# KiCad board bumwings_v001R55_rp2040zero_sd.kicad_pcb
title: BumWings_001R; date: 2022-10-12; rev: v0.5; company: tubby.twins a.k.a. mschnoor
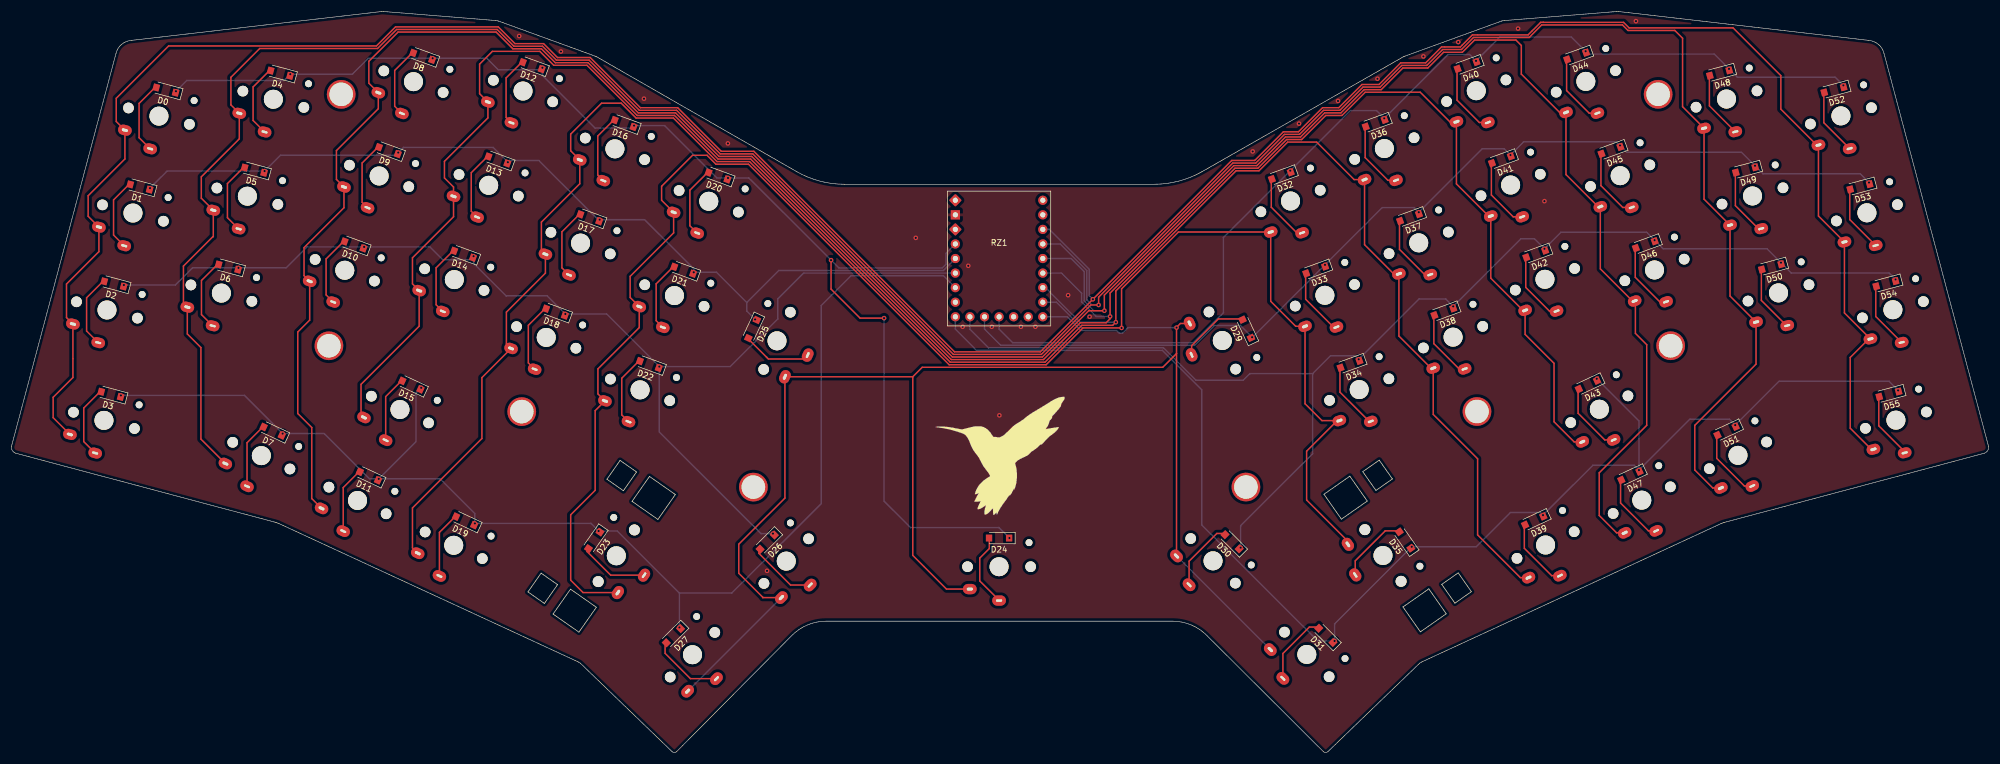
[diagram p0: board, top side]
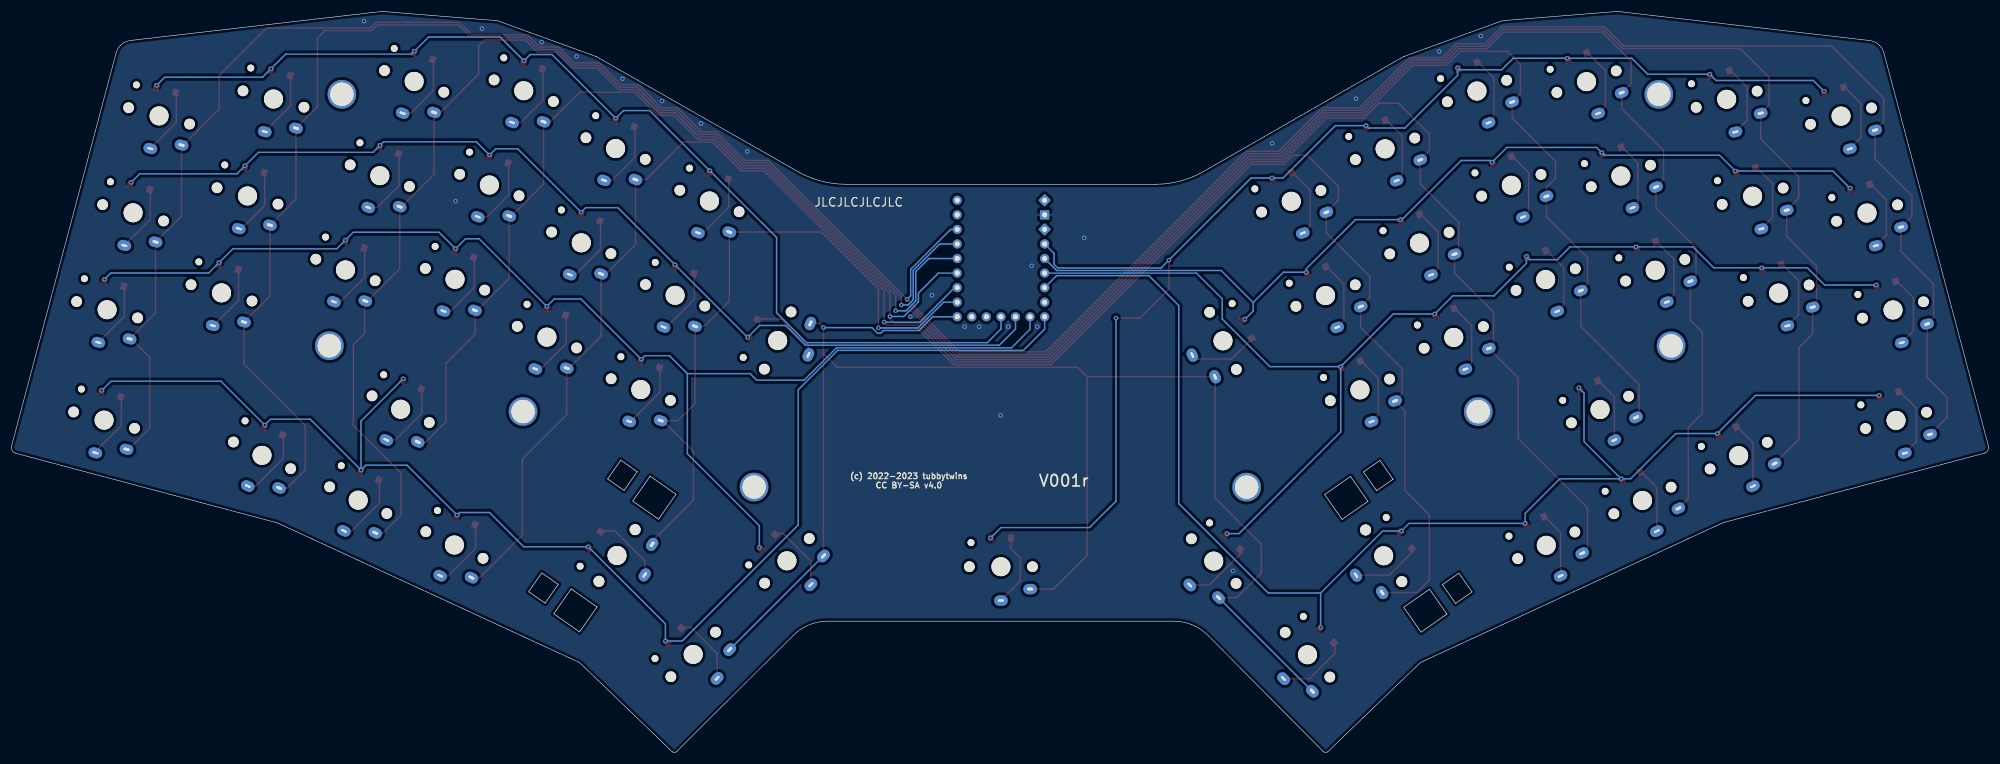
[diagram p1: board, bottom side, seen from below]

Outline 344.59 x 129.25 mm; copper layers: Top, Bottom. Coordinates in mm from the lower left corner of the outline.
Outline path: 0.71,52.21 arc(0.14,52.68) 0,53.4 18.22,121.95 arc(19.2,123.51) 20.9,124.2 64.45,129.23 arc(64.63,129.25) 64.82,129.24 84.42,127.66 arc(84.68,127.62) 84.93,127.56 101.76,121.44 arc(101.88,121.4) 102,121.34 136.9,101.28 arc(140.92,99.65) 145.22,99.11 199.16,99.11 arc(203.45,99.66) 207.47,101.28 242.6,121.34 arc(242.71,121.4) 242.84,121.44 259.66,127.56 arc(259.92,127.62) 260.18,127.66 279.78,129.24 arc(279.96,129.25) 280.15,129.23 323.7,124.2 arc(325.4,123.51) 326.37,121.95 344.59,53.4 arc(344.46,52.68) 343.88,52.21 298.48,40.12 arc(298.22,40.04) 297.97,39.93 245.73,15.77 arc(245.59,15.68) 245.45,15.59 229.45,0.16 arc(229.04,0) 228.64,0.18 208.41,20.36 arc(205.65,22.24) 202.39,22.91 141.99,22.91 arc(138.72,22.24) 135.97,20.36 115.95,0.18 arc(115.56,0) 115.15,0.16 99.14,15.59 arc(99.01,15.68) 98.87,15.77 46.62,39.93 arc(46.37,40.04) 46.11,40.12 0.71,52.21
Stack: Top 0.035mm / dielectric 1.51mm FR4 er 4.5 / Bottom 0.035mm

## Placement (name value [footprint] x y rotation side)
D0  D  [Diode_D_SOD-123]  26.92 115.53 165 top
D1  D  [Diode_D_SOD-123]  22.39 98.63 165 top
D2  D  [Diode_D_SOD-123]  17.86 81.73 165 top
D3  D  [Diode_D_SOD-123]  17.34 62.47 165 top
D4  D  [Diode_D_SOD-123]  46.86 118.47 165 top
D5  D  [Diode_D_SOD-123]  42.33 101.57 165 top
D6  D  [Diode_D_SOD-123]  37.8 84.67 165 top
D7  D  [Diode_D_SOD-123]  45.54 56.04 155 top
D8  D  [Diode_D_SOD-123]  71.67 121.42 160 top
D9  D  [Diode_D_SOD-123]  65.69 104.97 160 top
D10  D  [Diode_D_SOD-123]  59.7 88.53 160 top
D11  D  [Diode_D_SOD-123]  62.3 48.22 155 top
D12  D  [Diode_D_SOD-123]  90.77 119.79 160 top
D13  D  [Diode_D_SOD-123]  84.78 103.35 160 top
D14  D  [Diode_D_SOD-123]  78.8 86.9 160 top
D15  D  [Diode_D_SOD-123]  69.7 64.08 155 top
D16  D  [Diode_D_SOD-123]  106.79 109.7 160 top
D17  D  [Diode_D_SOD-123]  100.8 93.26 160 top
D18  D  [Diode_D_SOD-123]  94.81 76.81 160 top
D19  D  [Diode_D_SOD-123]  79.07 40.4 155 top
D20  D  [Diode_D_SOD-123]  123.14 100.56 160 top
D21  D  [Diode_D_SOD-123]  117.16 84.11 160 top
D22  D  [Diode_D_SOD-123]  111.17 67.67 160 top
D23  D  [Diode_D_SOD-123]  101.57 37.01 235 top
D24  D  [Diode_D_SOD-123]  172.14 37.41 180 top
D25  D  [Diode_D_SOD-123]  129.17 73.86 245 top
D26  D  [Diode_D_SOD-123]  131.72 36.71 225 top
D27  D  [Diode_D_SOD-123]  115.38 20.38 225 top
D29  D  [Diode_D_SOD-123]  215.3 73.91 115 top
D30  D  [Diode_D_SOD-123]  212.75 36.76 135 top
D31  D  [Diode_D_SOD-123]  229.1 20.43 135 top
D32  D  [Diode_D_SOD-123]  221.33 100.61 200 top
D33  D  [Diode_D_SOD-123]  227.32 84.16 200 top
D34  D  [Diode_D_SOD-123]  233.3 67.72 200 top
D35  D  [Diode_D_SOD-123]  242.9 37.06 125 top
D36  D  [Diode_D_SOD-123]  237.69 109.75 200 top
D37  D  [Diode_D_SOD-123]  243.67 93.31 200 top
D38  D  [Diode_D_SOD-123]  249.66 76.86 200 top
D39  D  [Diode_D_SOD-123]  265.4 40.45 205 top
D40  D  [Diode_D_SOD-123]  253.71 119.84 200 top
D41  D  [Diode_D_SOD-123]  259.69 103.4 200 top
D42  D  [Diode_D_SOD-123]  265.68 86.95 200 top
D43  D  [Diode_D_SOD-123]  274.78 64.13 205 top
D44  D  [Diode_D_SOD-123]  272.8 121.47 200 top
D45  D  [Diode_D_SOD-123]  278.78 105.02 200 top
D46  D  [Diode_D_SOD-123]  284.77 88.58 200 top
D47  D  [Diode_D_SOD-123]  282.17 48.27 205 top
D48  D  [Diode_D_SOD-123]  297.71 118.51 195 top
D49  D  [Diode_D_SOD-123]  302.24 101.61 195 top
D50  D  [Diode_D_SOD-123]  306.77 84.71 195 top
D51  D  [Diode_D_SOD-123]  298.94 56.09 205 top
D52  D  [Diode_D_SOD-123]  317.65 115.58 195 top
D53  D  [Diode_D_SOD-123]  322.18 98.67 195 top
D54  D  [Diode_D_SOD-123]  326.71 81.77 195 top
D55  D  [Diode_D_SOD-123]  327.24 62.51 195 top
NOREF  -  [LEGO_HOLE]  255.43 59.48 355 top
NOREF#2  -  [LEGO_HOLE]  287.01 114.8 355 top
NOREF#3  -  [LEGO_HOLE]  215.16 46.3 355 top
NOREF#4  -  [LEGO_HOLE]  289.19 70.95 355 top
NOREF#5  -  [LEGO_HOLE]  88.94 59.46 5 top
NOREF#6  -  [LEGO_HOLE]  129.31 46.29 5 top
NOREF#7  -  [LEGO_HOLE]  57.47 114.79 5 top
NOREF#8  -  [LEGO_HOLE]  55.33 70.94 5 top
REF**  -  [OSHW-Symbol_6.7x6mm_mask]  172.14 47.41 0 top
RZ1  -  [RP2040-Zero-phy]  172.14 74.41 0 top
SW0  SW_PUSH  [Kailh_PG1350_1u_solder]  25.71 110.99 345 top
SW1  SW_PUSH  [Kailh_PG1350_1u_solder]  21.18 94.09 345 top
SW2  SW_PUSH  [Kailh_PG1350_1u_solder]  16.65 77.19 345 top
SW3  SW_PUSH  [Kailh_PG1350_1.5u_solder]  16.12 57.93 345 top
SW4  SW_PUSH  [Kailh_PG1350_1u_solder]  45.65 113.93 345 top
SW5  SW_PUSH  [Kailh_PG1350_1u_solder]  41.12 97.03 345 top
SW6  SW_PUSH  [Kailh_PG1350_1u_solder]  36.59 80.13 345 top
SW7  SW_PUSH  [Kailh_PG1350_1u_solder]  43.55 51.78 335 top
SW8  SW_PUSH  [Kailh_PG1350_1u_solder]  70.07 117 340 top
SW9  SW_PUSH  [Kailh_PG1350_1u_solder]  64.08 100.56 340 top
SW10  SW_PUSH  [Kailh_PG1350_1u_solder]  58.1 84.11 340 top
SW11  SW_PUSH  [Kailh_PG1350_1u_solder]  60.32 43.96 335 top
SW12  SW_PUSH  [Kailh_PG1350_1u_solder]  89.16 115.37 340 top
SW13  SW_PUSH  [Kailh_PG1350_1u_solder]  83.18 98.93 340 top
SW14  SW_PUSH  [Kailh_PG1350_1u_solder]  77.19 82.48 340 top
SW15  SW_PUSH  [Kailh_PG1350_1u_solder]  67.71 59.82 335 top
SW16  SW_PUSH  [Kailh_PG1350_1u_solder]  105.18 105.29 340 top
SW17  SW_PUSH  [Kailh_PG1350_1u_solder]  99.19 88.84 340 top
SW18  SW_PUSH  [Kailh_PG1350_1u_solder]  93.21 72.4 340 top
SW19  SW_PUSH  [Kailh_PG1350_1u_solder]  77.08 36.14 335 top
SW20  SW_PUSH  [Kailh_PG1350_1u_solder]  121.54 96.14 340 top
SW21  SW_PUSH  [Kailh_PG1350_1u_solder]  115.55 79.7 340 top
SW22  SW_PUSH  [Kailh_PG1350_1u_solder]  109.57 63.25 340 top
SW23  SW_PUSH  [Kailh_PG1350_2u_stab_solder]  105.42 34.32 55 top
SW24  SW_PUSH  [Kailh_PG1350_1.5u_solder]  172.14 32.41 0 top
SW25  SW_PUSH  [Kailh_PG1350_1.5u_solder]  133.43 71.81 65 top
SW26  SW_PUSH  [Kailh_PG1350_1u_solder]  135.05 33.38 45 top
SW27  SW_PUSH  [Kailh_PG1350_1.5u_solder]  118.7 17.06 45 top
SW29  SW_PUSH  [Kailh_PG1350_1.5u_solder]  211.04 71.86 295 top
SW30  SW_PUSH  [Kailh_PG1350_1u_solder]  209.43 33.43 315 top
SW31  SW_PUSH  [Kailh_PG1350_1.5u_solder]  225.77 17.11 315 top
SW32  SW_PUSH  [Kailh_PG1350_1u_solder]  222.94 96.19 20 top
SW33  SW_PUSH  [Kailh_PG1350_1u_solder]  228.92 79.75 20 top
SW34  SW_PUSH  [Kailh_PG1350_1u_solder]  234.91 63.3 20 top
SW35  SW_PUSH  [Kailh_PG1350_2u_stab_solder]  239.05 34.37 305 top
SW36  SW_PUSH  [Kailh_PG1350_1u_solder]  239.3 105.34 20 top
SW37  SW_PUSH  [Kailh_PG1350_1u_solder]  245.28 88.89 20 top
SW38  SW_PUSH  [Kailh_PG1350_1u_solder]  251.27 72.45 20 top
SW39  SW_PUSH  [Kailh_PG1350_1u_solder]  267.39 36.19 25 top
SW40  SW_PUSH  [Kailh_PG1350_1u_solder]  255.31 115.42 20 top
SW41  SW_PUSH  [Kailh_PG1350_1u_solder]  261.3 98.98 20 top
SW42  SW_PUSH  [Kailh_PG1350_1u_solder]  267.28 82.53 20 top
SW43  SW_PUSH  [Kailh_PG1350_1u_solder]  276.76 59.87 25 top
SW44  SW_PUSH  [Kailh_PG1350_1u_solder]  274.41 117.05 20 top
SW45  SW_PUSH  [Kailh_PG1350_1u_solder]  280.39 100.61 20 top
SW46  SW_PUSH  [Kailh_PG1350_1u_solder]  286.38 84.16 20 top
SW47  SW_PUSH  [Kailh_PG1350_1u_solder]  284.16 44.01 25 top
SW48  SW_PUSH  [Kailh_PG1350_1u_solder]  298.93 113.97 15 top
SW49  SW_PUSH  [Kailh_PG1350_1u_solder]  303.46 97.07 15 top
SW50  SW_PUSH  [Kailh_PG1350_1u_solder]  307.99 80.17 15 top
SW51  SW_PUSH  [Kailh_PG1350_1u_solder]  300.92 51.83 25 top
SW52  SW_PUSH  [Kailh_PG1350_1u_solder]  318.87 111.04 15 top
SW53  SW_PUSH  [Kailh_PG1350_1u_solder]  323.4 94.13 15 top
SW54  SW_PUSH  [Kailh_PG1350_1u_solder]  327.93 77.23 15 top
SW55  SW_PUSH  [Kailh_PG1350_1.5u_solder]  328.45 57.97 15 top

## Footprints (pads in the part's own frame, mm; a bottom-side part is the same pattern mirrored in y, then rotated)
Diode_D_SOD-123
  rect 1.1x1.2 smd: 1(-1.75,0) 2(1.75,0)
Kailh_PG1350_1.5u_solder
  round 1.85 hole 1.85 unplated: (-5.5,0) (5.5,0)
  round 3.3 hole 3.3 unplated: (0,0)
  round 1.2 hole 1.2 unplated: (5.22,4.2)
  oval 2.4x1.8 hole 1.1x0.5: 1(-5.1,-3.9)
  oval 2.4x1.8 hole 1.1x0.4: 2(0,-5.9)
Kailh_PG1350_1u_solder
  round 1.85 hole 1.85 unplated: (-5.5,0) (5.5,0)
  round 3.3 hole 3.3 unplated: (0,0)
  round 1.2 hole 1.2 unplated: (5.22,4.2)
  oval 2.4x1.8 hole 1.1x0.5: 1(-5.1,-3.9)
  oval 2.4x1.8 hole 1.1x0.4: 2(0,-5.9)
Kailh_PG1350_2u_stab_solder
  round 1.9 hole 1.9 unplated: (-5.5,0) (5.5,0)
  round 3.3 hole 3.3 unplated: (0,0)
  round 1.2 hole 1.2 unplated: (5.22,4.2)
  oval 2.4x1.8 hole 1.1x0.5: 1(-5.1,-3.9)
  oval 2.4x1.8 hole 1.1x0.4: 2(0,-5.9)
LEGO_HOLE
  round 5 hole 4.1: (0,0)
RP2040-Zero-phy
  round 1.6 hole 0.9: 0(7.62,21.91) 1(7.62,19.37) 2(7.62,16.83) 3(7.62,14.29) 4(7.62,11.75) 5(7.62,9.21) 6(7.62,6.67) 7(7.62,4.13) 8(7.62,1.59) 9(5.08,1.59) 10(2.54,1.59) 11(0,1.59) 12(-2.54,1.59) 13(-5.08,1.59) 14(-7.62,1.59) 15(-7.62,4.13) 26(-7.62,6.67) 27(-7.62,9.21) 28(-7.62,11.75) 29(-7.62,14.29)
  rect 1.6x1.6 hole 0.9: G1(-7.62,19.37)
  rrect 1.6x1.6 hole 0.9 rot 45: v3(-7.62,16.83) v5(-7.62,21.91)

## Nets
GND: RZ1.G1
VCC: RZ1.v3
col_i1: RZ1.6 SW16.1 SW17.1 SW18.1 SW19.1 SW36.1 SW37.1 SW38.1 SW39.1
col_i2: RZ1.7 SW20.1 SW21.1 SW22.1 SW23.1 SW32.1 SW33.1 SW34.1 SW35.1
col_m: RZ1.5 SW12.1 SW13.1 SW14.1 SW15.1 SW40.1 SW41.1 SW42.1 SW43.1
col_p1: RZ1.3 SW4.1 SW5.1 SW6.1 SW7.1 SW48.1 SW49.1 SW50.1 SW51.1
col_p2: RZ1.2 SW0.1 SW1.1 SW2.1 SW3.1 SW52.1 SW53.1 SW54.1 SW55.1
col_r: RZ1.4 SW8.1 SW9.1 SW10.1 SW11.1 SW44.1 SW45.1 SW46.1 SW47.1
col_t: RZ1.8 SW24.1 SW25.1 SW26.1 SW27.1 SW29.1 SW30.1 SW31.1
rowExtra: RZ1.15
rowL_dn: D2.1 D6.1 D10.1 D14.1 D18.1 D22.1 D26.1 RZ1.27
rowL_home: D1.1 D5.1 D9.1 D13.1 D17.1 D21.1 D25.1 RZ1.28
rowL_mod: D3.1 D7.1 D11.1 D15.1 D19.1 D23.1 D27.1 RZ1.26
rowL_up: D0.1 D4.1 D8.1 D12.1 D16.1 D20.1 D24.1 RZ1.29
rowR_dn: D30.1 D34.1 D38.1 D42.1 D46.1 D50.1 D54.1 RZ1.13
rowR_home: D29.1 D33.1 D37.1 D41.1 D45.1 D49.1 D53.1 RZ1.12
rowR_mod: D31.1 D35.1 D39.1 D43.1 D47.1 D51.1 D55.1 RZ1.14
rowR_up: D32.1 D36.1 D40.1 D44.1 D48.1 D52.1 RZ1.11
Net-(D0-Pad2): D0.2 SW0.2
Net-(D1-Pad2): D1.2 SW1.2
Net-(D2-Pad2): D2.2 SW2.2
Net-(D3-Pad2): D3.2 SW3.2
Net-(D4-Pad2): D4.2 SW4.2
Net-(D5-Pad2): D5.2 SW5.2
Net-(D6-Pad2): D6.2 SW6.2
Net-(D7-Pad2): D7.2 SW7.2
Net-(D8-Pad2): D8.2 SW8.2
Net-(D9-Pad2): D9.2 SW9.2
Net-(D10-Pad2): D10.2 SW10.2
Net-(D11-Pad2): D11.2 SW11.2
Net-(D12-Pad2): D12.2 SW12.2
Net-(D13-Pad2): D13.2 SW13.2
Net-(D14-Pad2): D14.2 SW14.2
Net-(D15-Pad2): D15.2 SW15.2
Net-(D16-Pad2): D16.2 SW16.2
Net-(D17-Pad2): D17.2 SW17.2
Net-(D18-Pad2): D18.2 SW18.2
Net-(D19-Pad2): D19.2 SW19.2
Net-(D20-Pad2): D20.2 SW20.2
Net-(D21-Pad2): D21.2 SW21.2
Net-(D22-Pad2): D22.2 SW22.2
Net-(D23-Pad2): D23.2 SW23.2
Net-(D24-Pad2): D24.2 SW24.2
Net-(D25-Pad2): D25.2 SW25.2
Net-(D26-Pad2): D26.2 SW26.2
Net-(D27-Pad2): D27.2 SW27.2
Net-(D29-Pad2): D29.2 SW29.2
Net-(D30-Pad2): D30.2 SW30.2
Net-(D31-Pad2): D31.2 SW31.2
Net-(D32-Pad2): D32.2 SW32.2
Net-(D33-Pad2): D33.2 SW33.2
Net-(D34-Pad2): D34.2 SW34.2
Net-(D35-Pad2): D35.2 SW35.2
Net-(D36-Pad2): D36.2 SW36.2
Net-(D37-Pad2): D37.2 SW37.2
Net-(D38-Pad2): D38.2 SW38.2
Net-(D39-Pad2): D39.2 SW39.2
Net-(D40-Pad2): D40.2 SW40.2
Net-(D41-Pad2): D41.2 SW41.2
Net-(D42-Pad2): D42.2 SW42.2
Net-(D43-Pad2): D43.2 SW43.2
Net-(D44-Pad2): D44.2 SW44.2
Net-(D45-Pad2): D45.2 SW45.2
Net-(D46-Pad2): D46.2 SW46.2
Net-(D47-Pad2): D47.2 SW47.2
Net-(D48-Pad2): D48.2 SW48.2
Net-(D49-Pad2): D49.2 SW49.2
Net-(D50-Pad2): D50.2 SW50.2
Net-(D51-Pad2): D51.2 SW51.2
Net-(D52-Pad2): D52.2 SW52.2
Net-(D53-Pad2): D53.2 SW53.2
Net-(D54-Pad2): D54.2 SW54.2
Net-(SW55-Pad2): D55.2 SW55.2

Pads without a net: RZ1 0 1 9 10 v5

## Via types
v1: diameter 0.8, hole 0.4, Top to Bottom, 87 vias

## Routing (per net, layer and track width the routed paths; a pad name or vN(x,y) marks a point on that pad's centre or on a via; arc(x,y) is an arc through that point)
GND:
  vias: v1(88.49,124.96) v1(95.77,122.26) v1(110.24,114.03) v1(124.87,106.23) v1(131.69,31.68) v1(157.62,89.76) v1(165.79,74.26) v1(166.77,84.88) v1(170.87,74.26) v1(172.19,58.81) v1(175.94,74.26) v1(178.47,74.26) v1(184.17,79.76) v1(187.92,76.01) v1(216.34,104.83) v1(224.42,109.68) v1(231.22,113.63) v1(238.09,117.51) v1(246.09,121.41) v1(252.17,123.91) v1(262.59,126.26) v1(267.19,96.16) v1(283.14,127.56)
col_i1: length 366.2
  Top w0.25: v1(192.49,75.05) 191.94,74.5 186.57,74.5 180.15,68.08 163.62,68.08 128.65,103.06 122.97,103.06 115.37,110.66 108.87,110.66 106.28,113.25 102.85,113.25 97.47,107.86 97.47,104.95 SW16.1 99.05,99.2 92.37,92.51 92.37,87.62 SW17.1 93.07,83.61 86.27,76.81 86.27,71.29 SW18.1 81.99,65.39 81.99,54.76 69.89,42.66 69.89,35.69 SW19.1 ; SW39.1 263,30.5 255.54,37.96 255.54,51.23 247.81,58.97 SW38.1 247.42,67.04 241.82,72.64 SW37.1 240.92,83.48 235.84,88.56 SW36.1 234.02,99.93 227.49,106.46 222.44,106.46 217.44,101.46 213.44,101.46 192.49,80.51 192.49,75.53
  Bottom w0.25: RZ1.6 180.22,81.08 186.24,75.05 v1(192.49,75.05)
col_i2: length 308.9
  Top w0.25: SW35.1 232.93,36.84 225.74,44.03 225.74,52.56 231.07,57.89 SW34.1 228.41,57.89 225.46,60.84 SW33.1 223.84,74.34 219.48,78.7 SW32.1 203.4,90.78 193.49,80.87 v1(193.49,74.05) 186.75,74.05 180.33,67.63 163.43,67.63 128.46,102.61 122.78,102.61 121.23,104.16 118.72,104.16 113.32,98.76 113.32,96.31 SW20.1 115.41,90.63 107.84,83.06 107.84,79.36 SW21.1 109.42,74.12 102.22,66.91 102.22,62.55 SW22.1 101.74,59.63 101.74,45.73 97.47,41.46 97.47,30.06 99.63,27.9 SW23.1
  Bottom w0.25: RZ1.7 182.12,78.54 186.61,74.05 v1(193.49,74.05)
col_m: length 373.1
  Top w0.25: v1(191.49,76.05) 191.49,75.65 190.79,74.95 186.3,74.95 179.88,68.53 163.81,68.53 128.83,103.51 123.16,103.51 115.56,111.11 109.06,111.11 100.31,119.86 94.52,119.86 92.09,122.28 83.82,122.28 81.59,120.06 81.59,114.9 SW12.1 83.04,110.68 75.47,103.11 75.47,100.21 77.05,98.63 SW13.1 77.05,93.44 69.89,86.28 69.89,81.74 SW14.1 71.06,74.36 60.93,64.22 60.93,58.96 SW15.1 ; SW43.1 272.37,54.18 268.87,57.68 268.87,67.88 263.82,72.93 SW42.1 263.44,77.13 257.84,82.73 SW41.1 257.45,93.57 251.85,99.17 SW40.1 250.69,110.01 245.54,115.16 235.95,115.16 231.9,111.11 229.08,111.11 224.88,106.91 222.25,106.91 217.25,101.91 213.25,101.91 191.49,80.15 191.49,76.33
  Bottom w0.25: v1(191.49,76.05) 189.05,76.05 186.52,78.59 186.52,80.12 183.02,83.62 RZ1.5
col_p1: length 490
  Top w0.25: SW51.1 296.53,46.14 293.39,49.28 293.39,57.06 304.07,67.74 SW50.1 299.54,79.61 SW49.1 295.01,96.51 SW48.1 291.27,112.63 291.27,124.58 289.92,125.93 281.75,125.93 280.79,126.9 266.72,126.9 264.53,124.71 254.83,124.71 252.73,122.61 249.45,122.61 246.68,119.83 242.33,119.83 238.55,116.06 235.58,116.06 231.53,112.01 228.7,112.01 224.5,107.81 221.88,107.81 216.88,102.81 212.88,102.81 189.49,79.42 189.49,78.4 ; v1(189.49,78.05) 188.12,78.05 179.5,69.43 164.18,69.43 129.2,104.41 123.53,104.41 115.93,112.01 109.43,112.01 100.68,120.76 94.98,120.76 92.55,123.18 87.58,123.18 84.66,126.1 67.12,126.1 63.8,122.78 43.27,122.78 38.24,117.76 38.24,112.95 SW4.1 39.71,107.03 33.09,100.41 33.09,96.67 SW5.1 35.18,89.97 35.11,89.97 29.97,84.84 29.97,78.36 SW6.1 30.65,73 33.02,70.63 33.02,54.66 SW7.1
  Bottom w0.25: v1(189.49,78.05) 188.32,78.05 187.42,78.96 187.42,84.07 182.79,88.7 RZ1.3
col_p2: length 506.3
  Top w0.25: SW55.1 324.17,52.88 320.49,56.56 320.49,68.91 323.72,72.14 SW54.1 319.48,76.67 SW53.1 314.95,93.57 SW52.1 314.65,105.95 308.39,112.21 308.39,118.06 300.07,126.38 281.94,126.38 280.98,127.35 267,127.35 266.53,127.35 264.34,125.16 255.57,125.16 254.64,125.16 252.54,123.06 249.27,123.06 246.49,120.28 242.14,120.28 238.37,116.51 235.39,116.51 231.34,112.46 228.52,112.46 224.32,108.26 221.69,108.26 216.69,103.26 212.69,103.26 v1(188.49,79.05) 179.32,69.88 164.37,69.88 129.39,104.86 123.72,104.86 116.12,112.46 109.62,112.46 100.87,121.21 95.17,121.21 92.74,123.63 87.77,123.63 84.84,126.56 66.94,126.56 63.62,123.23 27.39,123.23 18.27,114.11 18.27,110.05 SW0.1 19.77,103.51 13.37,97.11 13.37,93.52 SW1.1 15.24,87.36 9.59,81.71 9.59,75.86 SW2.1 10.71,65.4 7.27,61.96 7.27,58.4 SW3.1
  Bottom w0.25: RZ1.2 180.89,91.24 187.87,84.26 187.87,79.67 v1(188.49,79.05)
col_r: length 458.1
  Top w0.25: v1(190.49,77.05) 187.76,77.05 179.69,68.98 163.99,68.98 129.02,103.96 123.34,103.96 115.74,111.56 109.24,111.56 100.49,120.31 94.79,120.31 92.37,122.73 87.39,122.73 84.47,125.65 67.39,125.65 62.29,120.56 62.29,116.73 SW8.1 63.94,112.28 56.64,104.98 56.64,99.95 SW9.1 57.96,95.02 50.99,88.06 50.99,83.17 SW10.1 51.97,75.41 49.89,73.33 49.89,59.13 52.34,56.68 52.34,44.29 SW11.1 ; 190.49,77.13 190.49,79.78 213.06,102.36 217.06,102.36 222.06,107.36 224.69,107.36 228.89,111.56 231.71,111.56 235.76,115.61 238.74,115.61 242.51,119.38 246.86,119.38 249.6,122.12 252.88,122.12 255.01,124.26 262.22,124.26 263.17,123.31 263.17,118.31 269.83,111.64 SW44.1 270.95,100.8 276.55,95.2 SW45.1 276.93,84.35 282.53,78.75 SW46.1 283.05,78.63 283.05,73.1 285.02,71.13 285.02,57.06 276.74,48.78 276.74,41.34 279.76,38.32 SW47.1
  Bottom w0.25: RZ1.4 184.69,86.16 186.97,83.88 186.97,78.77 188.68,77.05 v1(190.49,77.05)
col_t: length 273.9
  Top w0.25: 157.09,65.53 SW25.1 134.81,44.38 126.76,36.33 126.76,31.27 130.93,27.09 130.93,27.02 SW26.1 ; 157.09,65.53 157.09,34.39 162.97,28.51 167.09,28.51 ; 157.09,65.53 158.74,67.18 200.66,67.18 203.07,69.59 ; SW29.1 203.74,74.83 203.07,74.16 v1(203.07,74.11) 203.07,69.59 ; SW30.1 203.07,69.59
  Bottom w0.25: v1(203.07,74.11) 194.62,74.11 193.64,73.13 193.09,73.13 192.62,73.6 186.42,73.6 184.03,76 RZ1.8 ; SW27.1 117.87,10.7 SW26.1 ; SW31.1 203.09,34.28 SW30.1
rowL_dn: length 205
  Bottom w0.25: v1(132.72,38.18) 130.64,38.18 112.92,55.91 v1(112.92,67.31) ; v1(112.92,67.31) 125.27,67.31 133.57,75.61 133.57,79.13 138.05,83.62 RZ1.27 ; v1(112.92,67.31) 103.74,76.48 v1(96.54,76.48) 93.37,79.66 86.29,79.66 86.24,79.61 80.54,85.31 v1(80.54,86.56) 79.94,85.96 75.17,85.96 72.94,88.18 v1(61.47,88.18) 51.52,88.18 47.87,84.53 v1(39.57,84.53) 31.57,84.53 28.57,81.53 v1(19.59,81.53)
rowL_home: length 161.8
  Bottom w0.25: RZ1.28 162.43,84.07 133.75,84.07 128.17,78.48 ; 128.17,78.48 128.17,76.98 v1(129.62,75.53) ; 128.17,78.48 122.89,83.76 v1(118.92,83.76) 118.92,84.36 110.34,92.93 v1(102.52,92.93) 102.24,92.93 91.92,103.26 86.82,103.26 v1(86.52,102.96) 83.94,105.53 68.32,105.53 v1(67.42,104.63) 66.97,104.18 46.89,104.18 v1(44.12,101.41) 27.12,101.41 v1(24.14,98.43)
rowL_mod: length 229.7
  Bottom w0.25: v1(19.07,62.28) 40.62,62.28 v1(47.27,55.63) 54.49,55.63 62.39,47.73 v1(64.02,47.73) ; v1(64.02,47.73) 74.72,47.73 80.77,41.68 v1(80.77,39.96) 101.02,39.96 v1(102.34,38.63) 105.59,38.63 116.42,27.81 ; v1(64.02,47.73) 70.49,54.21 70.49,62.68 v1(71.42,63.61) ; RZ1.26 162.43,83.17 146.35,83.17 141.14,77.96 141.14,43.41 125.54,27.81 116.42,27.81 ; 116.42,27.81 v1(116.42,21.81)
rowL_up: length 230.5
  Top w0.25: v1(142.85,85.87) 142.85,80.82 147.92,75.76 v1(152.09,75.76)
  Bottom w0.25: RZ1.29 162.89,87.07 162.89,85.17 162.24,84.52 144.21,84.52 v1(142.85,85.87) 128.52,100.21 v1(124.89,100.21) 122.97,100.21 113.84,109.33 v1(108.52,109.33) 108.09,108.91 101.72,108.91 92.54,118.08 v1(92.54,119.43) 92.19,119.08 84.84,119.08 82.84,121.08 v1(73.42,121.08) 62.19,121.08 59.42,118.31 v1(48.59,118.31) 47.49,117.21 30.54,117.21 v1(28.67,115.33) ; v1(152.09,75.76) 152.09,43.83 156.69,39.23 172.12,39.23 v1(173.94,37.41)
rowR_dn: length 219.9
  Bottom w0.25: 226.79,66.08 226.79,52.11 214.24,39.56 v1(214.24,35.73) ; 226.79,66.08 215.84,66.08 214.69,64.93 206.44,64.93 200.79,70.58 170.29,70.58 167.06,73.82 RZ1.13 ; 226.79,66.08 229.92,69.21 234.19,69.21 v1(234.82,68.58) 245.34,79.11 249.99,79.11 v1(251.29,77.81) 263.09,89.61 265.44,89.61 v1(267.19,87.86) 270.07,90.73 285.02,90.73 v1(286.39,89.36) 287.89,87.86 305.99,87.86 v1(308.42,85.43) 310.22,83.63 327.27,83.63 v1(328.39,82.51)
rowR_home: length 178.4
  Bottom w0.25: RZ1.12 169.6,73.85 172.42,71.03 206.22,71.03 209.67,74.48 214.19,74.48 v1(216.24,72.43) 216.32,72.43 v1(228.94,85.06) 238.92,95.03 244.49,95.03 v1(245.29,94.23) 256.34,105.28 260.19,105.28 v1(261.27,104.21) 263.57,106.51 279.74,106.51 v1(280.37,105.88) 281.57,104.68 301.54,104.68 v1(303.89,102.33) 305.29,100.93 322.24,100.93 v1(323.77,99.41)
rowR_mod: length 244.9
  Bottom w0.25: v1(328.84,63.16) 327.24,64.76 308.09,64.76 v1(300.44,57.11) 299.42,58.13 292.54,58.13 v1(283.67,49.26) ; RZ1.14 164.52,73.83 168.22,70.13 200.6,70.13 207.47,63.27 207.47,39.68 227.69,19.46 v1(230.62,19.46) 230.62,22.43 v1(244.07,35.88) 255.29,35.88 261.27,41.86 266.49,41.86 v1(266.94,41.41) 275.64,50.11 282.82,50.11 v1(283.67,49.26) ; v1(276.32,65.18) 283.67,57.83 v1(283.67,49.26)
rowR_up: length 185.6
  Bottom w0.25: v1(319.29,116.36) 317.87,117.78 300.82,117.78 v1(299.37,119.23) 296.79,121.81 274.87,121.81 v1(274.37,122.31) 271.89,124.78 259.42,124.78 v1(255.27,120.63) 254.17,121.73 250.39,121.73 v1(239.27,110.61) 237.92,111.96 233.37,111.96 v1(222.89,101.48) 211.24,89.83 211.24,76.7 206.03,71.48 174.49,71.48 172.14,73.84 RZ1.11
Net-(D0-Pad2): length 13.1
  Top w0.25: 25.31,116.28 22.24,113.21 22.24,107.23 SW0.2
Net-(D1-Pad2): length 13
  Top w0.25: 20.78,99.37 17.79,96.38 17.79,90.25 SW1.2
Net-(D2-Pad2): length 13.1
  Top w0.25: SW2.2 13.09,73.52 13.09,79.31 16.25,82.47
Net-(D3-Pad2): length 13.1
  Top w0.25: 15.72,63.21 12.59,60.08 12.59,54.23 SW3.2
Net-(D4-Pad2): length 13.1
  Top w0.25: SW4.2 42.12,110.24 42.12,116.08 45.25,119.22
Net-(D5-Pad2): length 13.1
  Top w0.25: SW5.2 37.64,93.28 37.64,99.23 40.72,102.31
Net-(D6-Pad2): length 13.1
  Top w0.25: SW6.2 33.12,76.37 33.12,82.33 36.19,85.41
Net-(D7-Pad2): length 11.9
  Top w0.25: 44.08,57.05 41.06,54.03 SW7.2
Net-(D8-Pad2): length 12.7
  Top w0.25: 70.13,122.3 66.79,118.96 66.79,112.72 SW8.2
Net-(D9-Pad2): length 12.5
  Top w0.25: 64.15,105.85 61.12,102.82 61.12,95.96 SW9.2
Net-(D10-Pad2): length 12.7
  Top w0.25: SW10.2 54.84,79.81 54.84,86.09 58.16,89.41
Net-(D11-Pad2): length 11.9
  Top w0.25: 60.84,49.23 57.82,46.21 SW11.2
Net-(D12-Pad2): length 12.5
  Top w0.25: 89.23,120.67 86.22,117.66 86.22,110.76 SW12.2
Net-(D13-Pad2): length 12.5
  Top w0.25: 83.24,104.23 80.14,101.12 80.14,94.4 SW13.2
Net-(D14-Pad2): length 12.7
  Top w0.25: 77.26,87.78 74.02,84.54 74.02,78.1 SW14.2
Net-(D15-Pad2): length 11.9
  Top w0.25: SW15.2 65.22,62.07 68.24,65.09
Net-(D16-Pad2): length 12.5
  Top w0.25: 105.24,110.58 102.19,107.53 102.19,100.71 SW16.2
Net-(D17-Pad2): length 12.7
  Top w0.25: SW17.2 95.94,84.53 95.94,90.82 99.26,94.14
Net-(D18-Pad2): length 12.6
  Top w0.25: SW18.2 90.09,67.95 90.09,74.51 93.27,77.69
Net-(D19-Pad2): length 11.9
  Top w0.25: 77.61,41.41 74.59,38.39 SW19.2
Net-(D20-Pad2): length 12.8
  Top w0.25: 121.6,101.44 118.24,98.08 118.24,91.87 SW20.2
Net-(D21-Pad2): length 12.7
  Top w0.25: 115.62,84.99 112.37,81.74 112.37,75.32 SW21.2
Net-(D22-Pad2): length 12.7
  Top w0.25: 109.63,68.55 106.37,65.28 106.37,58.89 SW22.2
Net-(D23-Pad2): length 12.3
  Top w0.25: SW23.2 104.45,30.93 100.32,35.05 100.32,35.75
Net-(D24-Pad2): length 13
  Top w0.25: 172.19,26.51 168.77,29.93 168.77,33.91 170.44,35.58 170.44,37.41
Net-(D25-Pad2): length 12.7
  Top w0.25: 131.6,68.97 131.75,68.81 ; 131.6,68.97 128.16,72.4 ; 131.6,68.97 131.93,68.63 138.1,68.63 SW25.2
Net-(D26-Pad2): length 12.2
  Top w0.25: SW26.2 135.79,29.21 130.27,34.73 130.27,35.68
Net-(D27-Pad2): length 12.8
  Top w0.25: 113.93,19.36 113.93,17.3 118.34,12.89 SW27.2
Net-(D29-Pad2): length 12.7
  Top w0.25: 214.83,75.62 210.35,75.62 205.7,70.97 SW29.2
Net-(D30-Pad2): length 12.6
  Top w0.25: SW30.2 205.26,33.38 210.09,38.21 211.73,38.21
Net-(D31-Pad2): length 12.7
  Top w0.25: SW31.2 221.6,17.27 226.21,21.88 228.07,21.88
Net-(D32-Pad2): length 12.4
  Top w0.25: SW32.2 224.03,90.65 219.58,95.09 219.58,100.29
Net-(D33-Pad2): length 12.2
  Top w0.25: SW33.2 230.42,74.2 225.57,79.06 225.57,83.85
Net-(D34-Pad2): length 12
  Top w0.25: 231.55,67.4 231.55,62.85 236.64,57.76 SW34.2
Net-(D35-Pad2): length 12.5
  Top w0.25: 242.14,38.67 239.45,38.67 234.22,33.44 SW35.2
Net-(D36-Pad2): length 12.7
  Top w0.25: 235.94,109.44 235.94,103.76 239.91,99.79 SW36.2
Net-(D37-Pad2): length 12.4
  Top w0.25: 241.93,92.99 241.93,87.75 246.33,83.35 SW37.2
Net-(D38-Pad2): length 12.4
  Top w0.25: 247.91,76.55 247.91,71.31 252.32,66.9 SW38.2
Net-(D39-Pad2): length 12.5
  Top w0.25: SW39.2 268.45,30.85 263.69,35.61 263.69,39.99
Net-(D40-Pad2): length 12.7
  Top w0.25: SW40.2 255.85,109.88 251.96,113.77 251.96,119.52
Net-(D41-Pad2): length 12.8
  Top w0.25: 257.94,103.08 257.94,97.23 261.74,93.43 SW41.2
Net-(D42-Pad2): length 12.6
  Top w0.25: SW42.2 268.06,76.99 263.93,81.12 263.93,86.63
Net-(D43-Pad2): length 12.6
  Top w0.25: SW43.2 277.7,54.53 273.06,59.16 273.06,63.66
Net-(D44-Pad2): length 12.7
  Top w0.25: 271.05,121.15 271.05,115.45 274.99,111.51 SW44.2
Net-(D45-Pad2): length 12.8
  Top w0.25: SW45.2 280.84,95.06 277.04,98.86 277.04,104.71
Net-(D46-Pad2): length 12.5
  Top w0.25: 283.02,88.26 283.02,82.88 287.28,78.62 SW46.2
Net-(D47-Pad2): length 12.5
  Top w0.25: 280.46,47.8 280.46,43.52 285.31,38.67 SW47.2
Net-(D48-Pad2): length 11.9
  Top w0.25: 295.94,118.35 295.94,112.79 SW48.2
Net-(D49-Pad2): length 12.2
  Top w0.25: 300.47,101.45 300.47,95.38 304.48,91.37 SW49.2
Net-(D50-Pad2): length 12
  Top w0.25: SW50.2 309.38,74.47 305,78.85 305,84.54
Net-(D51-Pad2): length 12.5
  Top w0.25: SW51.2 302.04,46.48 297.23,51.3 297.23,55.62
Net-(D52-Pad2): length 11.9
  Top w0.25: 315.88,115.41 315.88,109.85 SW52.2
Net-(D53-Pad2): length 11.9
  Top w0.25: 320.41,98.51 320.41,92.94 SW53.2
Net-(D54-Pad2): length 11.9
  Top w0.25: 324.94,81.6 324.94,76.04 SW54.2
Net-(SW55-Pad2): length 11.9
  Top w0.25: SW55.2 329.98,52.47 325.47,56.98 325.47,62.35

## Copper pours and planes (outline as drawn; the poured copper is in the pictures)
GND on Top: 275.19,137.66 327.62,130.93 356.22,45.61 304.67,34.13 255.27,14.41 226.67,-5.94 202.89,20.58 173.09,19.31 142.82,19.83 116.87,-7.89 94.34,12.03 43.87,35.86 -5.73,50.36 16.14,130.08 59.04,135.93 102.57,128.98 147.39,104.08 168.19,103.66 198.32,102.78 226.02,123.58
GND on Bottom: 70.69,137.59 18.26,130.86 -10.34,45.54 41.21,34.06 90.61,14.34 119.21,-6.01 141.07,19.21 172.67,20.68 204.34,19.63 229.01,-7.96 251.54,11.96 302.01,35.79 351.61,50.29 329.74,130.01 286.84,135.86 243.31,128.91 198.49,104.01 177.69,103.59 147.56,102.71 119.86,123.51

## Text on the board
B.Silkscreen: (c) 2022-2023 tubbytwins / CC BY-SA v4.0 | JLCJLCJLCJLC | V001r
